# Altium PCB SkyWar.PcbDoc (part 3 of 3)
Units mm, origin at the board's own origin, x right, y up, seen from the top; angles counter-clockwise.
Board outline 85 x 56 mm, 2 copper layers (Top Layer, Bottom Layer), stack 1.67 mm thick; 109 components, 94 nets, 423 pads, 3756 vias.
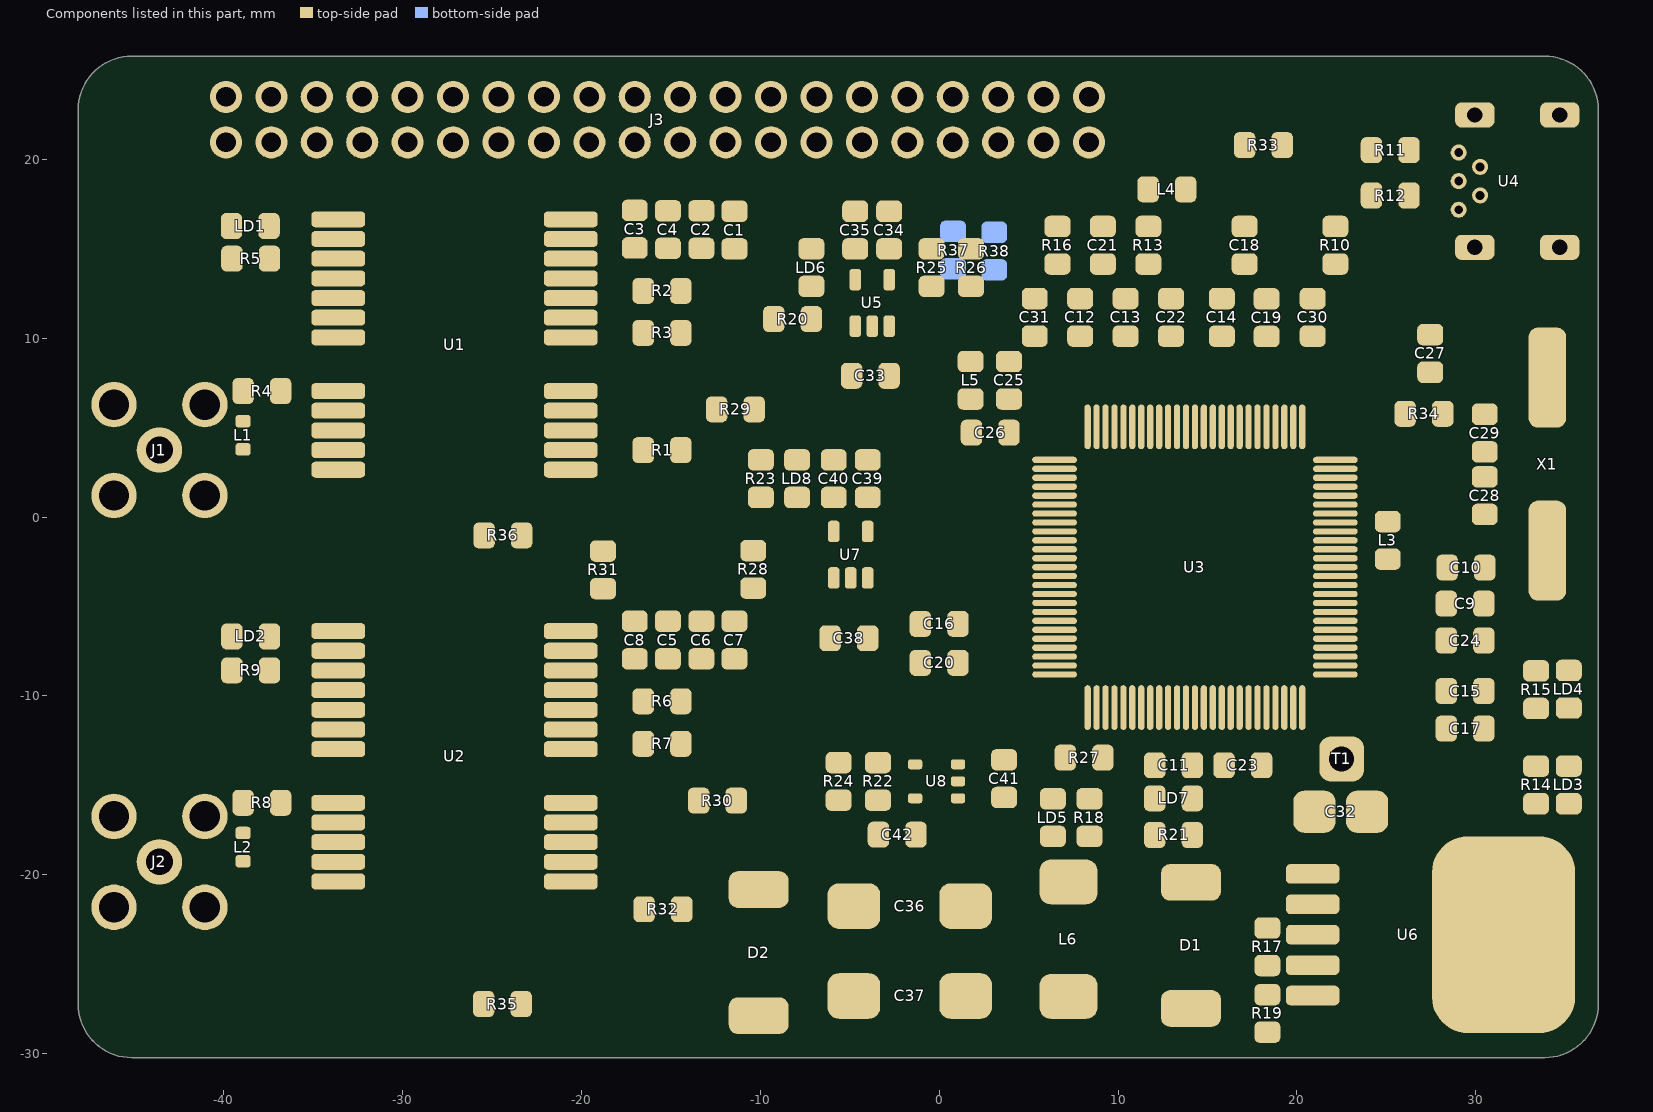
[diagram p3: the components of this part, seen from the top]

## Polygon pours and split planes (outlines as drawn) (continued)
PWR_GND_MAIN on Bottom Layer "Mechanical 1-No Net" (solid, pour order 3): -15.15,-29.225 35.85,-29.225 35.85,-17.725 25.35,-17.725 25.35,-15.225 19.35,-15.225 19.35,-19.225 9.35,-19.225 9.35,-14.725 5.35,-14.725 5.35,-19.225 -15.15,-19.225
GND_XTAL on Bottom Layer "GND_XTAL_L02_P009" (solid, pour order 9): 31.85,-5.225 35.85,-5.225 35.85,11.275 31.85,11.275 31.85,6.775 27.35,6.775 27.35,3.775 20.35,3.775 20.35,2.275 27.35,2.275 27.35,-0.725 31.75,-0.725 31.85,-0.725 31.85,-0.825
PWR_GND_6M on Bottom Layer "PWR_GND_6M_L02_P011" (solid, pour order 11): -12.15,-12.225 -2.85,-12.225 -2.85,4.275 -11.15,4.275 -11.15,-2.725 -9.15,-2.725 -9.15,-9.725 -12.15,-9.725
GND on Bottom Layer "GND_L02_P013" (solid, pour order 13): -2.15,-12.225 8.35,-12.225 8.35,-14.225 9.85,-14.225 9.85,-18.725 18.85,-18.725 18.85,-14.725 25.85,-14.725 25.85,-17.225 35.85,-17.225 35.85,-5.725 31.35,-5.725 31.35,-1.225 26.85,-1.225 26.85,1.775 19.85,1.775 19.85,4.275 26.85,4.275 26.85,7.275 31.35,7.275 31.35,11.775 35.85,11.775 35.85,24.775 18.35,24.775 18.35,19.275 -1.15,19.275 -1.15,4.275 -2.15,4.275
PWR_GND on Bottom Layer "PWR_GND_L02_P016" (solid, pour order 16): -12.15,-18.725 4.85,-18.725 4.85,-14.225 7.85,-14.225 7.85,-12.725 -12.15,-12.725
GND_PI on Bottom Layer "GND_PI_L02_P018" (solid, pour order 18): -47.15,19.775 17.85,19.775 17.85,24.775 -47.15,24.775
GND_6M on Bottom Layer "GND_6M_L02_P020" (solid, pour order 20): -24.15,-29.225 -15.65,-29.225 -15.65,-18.725 -12.65,-18.725 -12.65,-9.225 -9.65,-9.225 -9.65,-3.225 -47.15,-3.225 -47.15,-13.725 -24.15,-13.725
GND_7M on Bottom Layer "GND_7M_L02_P023" (solid, pour order 23): -47.15,9.275 -24.15,9.275 -24.15,-2.725 -11.65,-2.725 -11.65,12.775 -10.15,12.775 -10.15,19.275 -47.15,19.275
GND_ANT_6M on Bottom Layer "GND_ANT_6M_L02_P026" (solid, pour order 26): -47.15,-29.225 -24.65,-29.225 -24.65,-14.225 -47.15,-14.225
GND_ANT_7M on Bottom Layer "GND_ANT_7M_L02_P029" (solid, pour order 29): -47.15,-2.725 -24.65,-2.725 -24.65,8.775 -47.15,8.775
PWR_GND_7M on Bottom Layer "PWR_GND_7M_L02_P031" (solid, pour order 31): -11.15,4.775 -1.65,4.775 -1.65,19.275 -9.65,19.275 -9.65,12.275 -11.15,12.275

## Keep-outs
Keep-Out Layer:
  lines w0.1: -48.15,22.775 cw(c-45.15,22.775) -45.15,25.775

## Other copper
Top Layer:
  rectangle net 3.3V: -4.15,-16.425 -0.95,-15.225
  rectangle net NetR22_2: -6.375,-14.325 -0.95,-13.125
  rectangle net NetR8_2: -35.15,-17.55 -32.1,-15.525
  rectangle net NetR4_1: -35.125,5.5 -32.075,7.5
  rectangle net 3.3V_7M: -22.1,14 -19.1,16.025
  rectangle net 3.3V_6M: -22.105,-9.025 -19.105,-7
  pour cut-out: -48.15,20.275 -48.15,22.775 cw(c-45.15,22.775) -45.15,25.775 -42.4,25.775 -42.4,24.775 -44.15,24.775 ccw(c-44.15,21.775) -47.15,21.775 -47.15,20.275
  pour cut-out: -48.15,-27.225 -48.15,-24.35 -47.15,-24.35 -47.15,-26.225 ccw(c-44.15,-26.225) -44.15,-29.225 -42.4,-29.225 -42.4,-30.225 -45.15,-30.225 cw(c-45.15,-27.225)
  pour cut-out: 32.075,-30.225 32.075,-29.225 32.85,-29.225 ccw(c32.85,-26.225) 35.85,-26.225 35.85,-24.975 36.85,-24.975 36.85,-27.225 cw(c33.85,-27.225) 33.85,-30.225
  pour cut-out: 31.85,24.775 31.85,25.775 33.85,25.775 cw(c33.85,22.775) 36.85,22.775 36.85,20.775 35.85,20.775 35.85,21.775 ccw(c32.85,21.775) 32.85,24.775
  pour cut-out: -47.65,-26.725 ccw(c-44.65,-26.725) -44.65,-29.725 ccw(c-44.65,-26.725) -41.65,-26.725 ccw(c-44.65,-26.725) -44.65,-23.725 ccw(c-44.65,-26.725)
  pour cut-out: -47.65,22.275 ccw(c-44.65,22.275) -44.65,19.275 ccw(c-44.65,22.275) -41.65,22.275 ccw(c-44.65,22.275) -44.65,25.275 ccw(c-44.65,22.275)
Bottom Layer:
  pour cut-out: -48.15,20.275 -48.15,22.775 cw(c-45.15,22.775) -45.15,25.775 -42.4,25.775 -42.4,24.775 -44.15,24.775 ccw(c-44.15,21.775) -47.15,21.775 -47.15,20.275
  pour cut-out: -48.15,-27.225 -48.15,-24.35 -47.15,-24.35 -47.15,-26.225 ccw(c-44.15,-26.225) -44.15,-29.225 -42.4,-29.225 -42.4,-30.225 -45.15,-30.225 cw(c-45.15,-27.225)
  pour cut-out: 32.075,-30.225 32.075,-29.225 32.85,-29.225 ccw(c32.85,-26.225) 35.85,-26.225 35.85,-24.975 36.85,-24.975 36.85,-27.225 cw(c33.85,-27.225) 33.85,-30.225
  pour cut-out: 31.85,24.775 31.85,25.775 33.85,25.775 cw(c33.85,22.775) 36.85,22.775 36.85,20.775 35.85,20.775 35.85,21.775 ccw(c32.85,21.775) 32.85,24.775
  pour cut-out: -47.65,-26.725 ccw(c-44.65,-26.725) -44.65,-29.725 ccw(c-44.65,-26.725) -41.65,-26.725 ccw(c-44.65,-26.725) -44.65,-23.725 ccw(c-44.65,-26.725)
  pour cut-out: -47.65,22.275 ccw(c-44.65,22.275) -44.65,19.275 ccw(c-44.65,22.275) -41.65,22.275 ccw(c-44.65,22.275) -44.65,25.275 ccw(c-44.65,22.275)

## Silkscreen, mask and mechanical layers (free items; w line width, h text height)
Top Overlay:
  text "TSUNAMi" at -40.546,-27.059 h3
Bottom Overlay:
  text "toannm / dcsnmto@nus.edu.sg" at -27.196,-27.334 h1.5
Mechanical 1:
  circle w0.1: c-44.65,-26.725 r1.375
  circle w0.1: c-44.65,22.275 r1.375
  lines w0.1: -48.15,-27.225 ccw(c-45.15,-27.225) -45.15,-30.225 33.85,-30.225 ccw(c33.85,-27.225) 36.85,-27.225 36.85,22.775 ccw(c33.85,22.775) 33.85,25.775 -42.4,25.775 -45.15,25.775 ccw(c-45.15,22.775) -48.15,22.775 -48.15,20.275 -48.15,-27.225 ; 32.85,24.775 cw(c32.85,21.775) 35.85,21.775 35.85,24.775 32.85,24.775

## Text inside footprints (layer, text, board x,y; h text height)
D1: Top Overlay "K" at 11.675,-20.025 h1.2 r90; Top Overlay "A" at 11.675,-28.725 h1.2 r90
D2: Top Overlay "K" at -7.7,-28.275 h1.2 r270; Top Overlay "A" at -7.7,-19.575 h1.2 r270